# Altium PCB C210.PcbDoc (part 4 of 8) (continued)
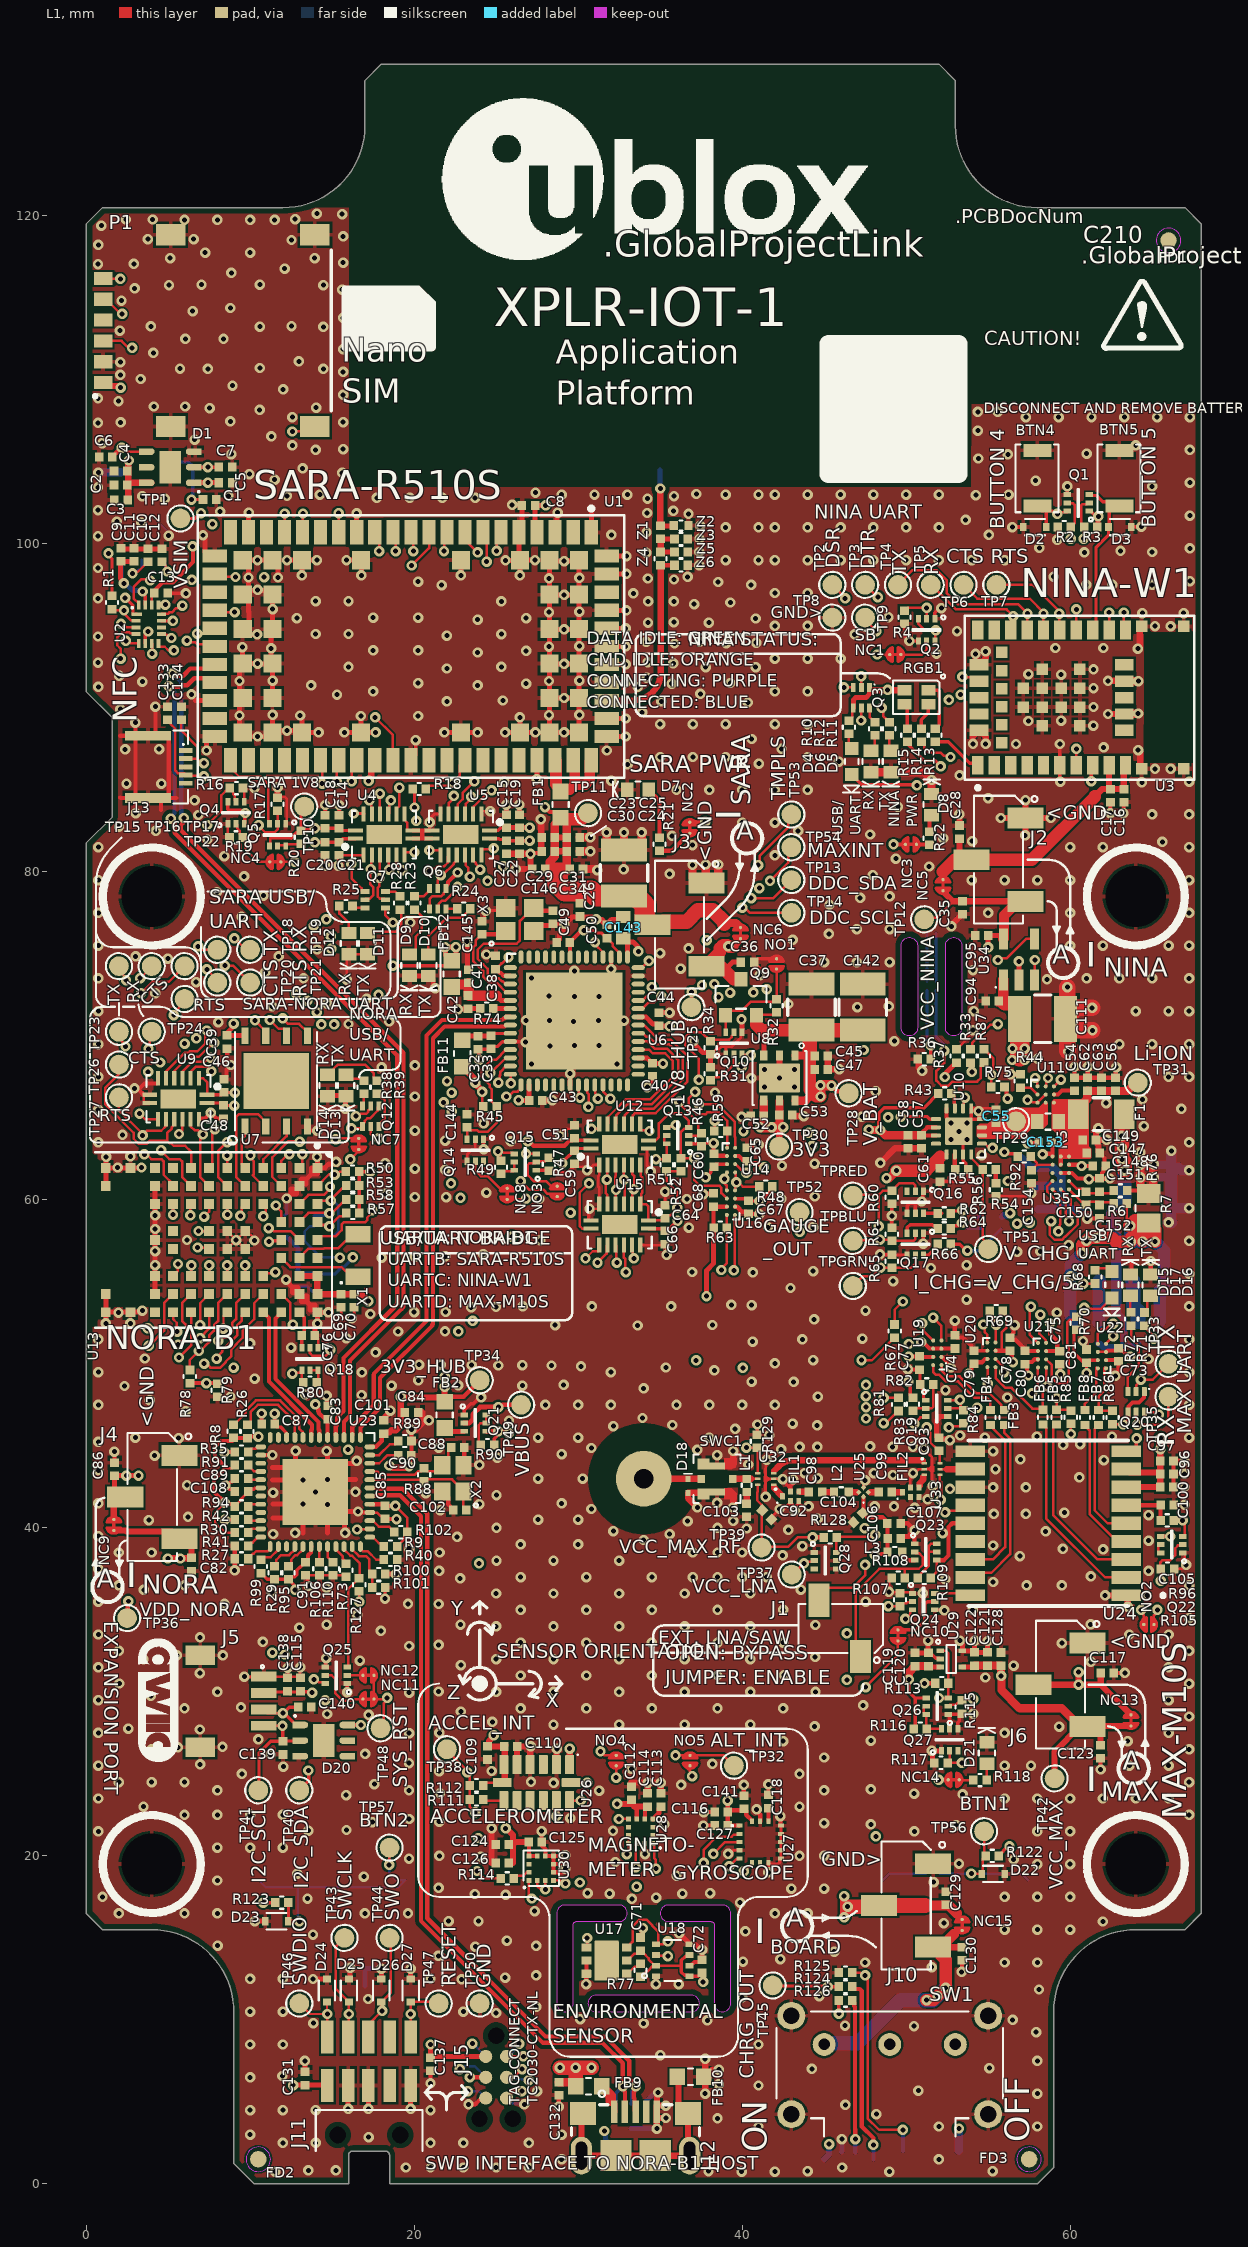
[diagram p0: L1 view]
## Nets (pads, with @x,y where several pads share a name; then routed paths per layer and width w, separated by ;. In a path a pad name is that pad's centre, name@x,y a point inside that pad or via, vN(x,y) a via of type N, cw(c..) or ccw(c..) an arc to the next point about the centre after c; other vN are vias at no path point) (continued)
  L1 w0.381: R17.1@11.672,84.525 v1(11.672,85.154) ; C101.2@18.239,46.548 18.239,46.766 18.554,47.081 v1(18.554,47.15) ; v1(18.475,43.8) 18.544,43.8 18.683,43.661 19.518,43.661 19.619,43.762 v1(19.687,43.762) ; v1(19.836,45.982) 20.082,45.982 20.489,46.389 C84.2@20.489,47.047 ; C126.2@24.721,19.575 v1(24.721,21.675) ; C27.2@25.622,81.1 C22.1@26.422,81.1 v1(27.097,81.1) C29.2@27.097,80.397 ; v1(26.197,80.175) 26.875,80.175 ; U26.5@26.275,25.565 26.275,26.642 26.304,26.671 27.096,26.671 v1(27.1,26.675) ; U26.4@27.075,25.565 27.087,25.577 27.087,26.663 v1@27.092,26.667 ; C30.2@27.75,81.25 v1@27.75,83.172 ; C43.1@27.825,66.05 27.839,66.064 28.419,66.064 v1(28.433,66.078) ; U26.2@28.675,25.565 28.675,26.508 v1(28.696,26.529) ; v1(31.102,77.105) 31.151,77.057 31.442,77.057 31.665,76.833 31.681,76.833 C50.1@31.75,76.764 31.765,76.764 32.066,77.065 32.569,77.065 C143.2@32.754,77.25 ; C112.1@33.244,24.467 v1(34.25,24.467) ; v1(34.222,66.875) 34.222,66.944 34.441,67.163 34.441,67.454 34.51,67.524 C40.1@34.525,67.524 ; C114.1@34.24,23.809 34.25,23.819 v1(34.25,24.467) ; v1@34.8,3.372 J12.5@34.8,4.395 J12.5@34.8,4.775 ; J12.5@34.825,4 34.841,4.016 v1(35.35,4.016) ; v1(34.875,5.571) 34.875,5.502 34.81,5.437 34.81,4.784 J12.5@34.8,4.775 ; C113.1@35.044,23.809 v1(35.044,24.467) v1(34.25,24.467) ; v1(35.35,4.775) J12.5@34.8,4.775 ; v1(37.275,41.242) 36.7,41.817 D18.2@36.7,42.134 37.583,42.134 SWC1.G@37.645,42.072 ; v1(37.75,5.495) FB10.1@37.75,6.525 ; v1(37.75,7.625) FB10.1@37.75,6.525 ; v1(38.58,6.96) 38.185,6.96 FB10.1@37.75,6.525 ; v1(39.967,65.064) 39.997,65.094 40.494,65.094 C52.2@40.525,65.125 ; v1(42.275,67.425) U8.2@42.275,68.8 ; C53.1@43.057,65.173 43.131,65.099 v1(43.757,65.099) ; C47.2@45.225,67.961 C47.2@45.235,67.971 ; C45.1@45.225,68.764 45.225,67.981 C47.2@45.235,67.971 ; v1(45.911,67.971) C47.2@45.235,67.971 ; v1(48.432,62.25) 48.45,62.25 48.45,62.268 49.322,63.14 C57.2@50.94,63.14 ; R36.1@50.7,68.575 50.772,68.503 50.772,68.072 v1(50.972,67.871) ; v1(52.75,76.68) 52.799,76.728 52.799,76.799 53.421,77.421 C35.2@53.436,77.421 ; C28.2@53.25,82.825 v1(53.25,83.5) ; v1(54.075,87.8) 54.05,87.825 54.05,88.225 U3.30@54.45,88.625 54.847,88.228 v1(54.847,87.8) ; v1(54.228,93.297) 54.228,92.785 54.388,92.625 U3.26@54.45,92.625 54.847,93.022 v1(54.847,93.45) ; v1(55.775,83.281) J2.1@57.275,83.281 ; v1(57.25,82.225) 57.275,82.25 J2.1@57.275,83.281 ; v1(57.275,84.375) J2.1@57.275,83.281 ; v1(58.825,83.281) J2.1@57.275,83.281 ; v1(61.717,64.356) 61.717,64.287 61.569,64.14 61.569,63.662 C149.1@61.576,63.655 ; C147.2@61.8,62.854 61.731,62.924 61.731,63.348 61.645,63.433 61.645,63.586 C149.1@61.576,63.655 ; v1(62.138,35.879) v1(64.688,35.879) ; v1(62.224,63.655) C149.1@61.576,63.655 ; v1(62.309,89.625) U3.12@63.3,89.625 ; v1(62.309,91.652) 63.273,91.652 U3.14@63.3,91.625 ; U24.1@63.413,35.879 63.513,35.779 v1(63.513,35.179) ; v1(64.127,93.614) 64.127,93.682 64.242,93.798 64.242,94.842 U3.EG@64.375,94.975 ; v1(64.15,87.425) 64.275,87.3 64.275,86.375 U3.EG@64.375,86.275
  L1 w0.391: v1@39.45,41.145 39.45,42.031 ; 39.45,43.802 39.45,44.685 v1(39.452,44.687)
  L1 w0.508: C24.2@30.1,81.25 v1(30.75,81.25) ; C25.1@30.1,82.1 v1(30.75,82.1) ; C31.2@30.297,80.175 31.1,80.175 v1(31.175,80.1) ; v1(31.738,82.404) 31.738,81.716 32.124,81.33 C26.1@32.797,81.33 ; v1(32.797,82.404) C26.1@32.797,81.33 ; v1(33.875,82.404) 33.875,81.848 33.357,81.33 C26.1@32.797,81.33 ; v1(36.975,80.425) 36.975,79.648 37.308,79.315 J3.1@37.775,79.315 ; v1(37.775,80.45) J3.1@37.775,79.315 ; v1(38.55,80.45) 38.55,79.508 38.575,79.483 38.407,79.315 J3.1@37.775,79.315 ; D6.C@47.825,86.075 48.95,86.075 D5.C@48.975,86.1 ; D5.C@48.975,86.075 51.075,86.075 v1(51.55,85.6) D8.C@51.55,84.75 ; v1(56.476,101.012) v1@56.488,101.025 ; U3.12@63.3,89.625 63.315,89.64 64.13,89.64 v1(64.145,89.655) ; v1(64.16,91.627) 64.159,91.626 U3.14@63.301,91.626 ; v1(64.275,62.9) 64.275,60.906 64.32,60.86 64.32,60.71 64.454,60.577 64.641,60.389 R7.1@64.791,60.389 ; v1(64.291,61.377) 64.293,61.379 v1@65.075,61.379 ; v1(64.291,62.142) 64.305,62.156 v1@65.085,62.156 ; R7.1@64.791,60.5 64.864,60.5 65.075,60.71 v1@65.075,61.379 ; v1(65.099,61.381) 65.097,61.379 v1@65.075,61.379 ; v1(65.099,62.17) v1@65.085,62.156 ; U3.14@63.3,91.625 U3.14@63.301,91.626 ; v1@65.075,61.379 65.075,62.146 v1@65.085,62.156
  L1 w1: v1(59.825,72.965) C111.2@59.825,71.143 ; v1(59.871,69.047) 59.825,69.093 C111.2@59.825,70.933 ; v1(61.338,71.702) 60.384,71.702 C111.2@59.825,71.143 ; v1(61.364,70.337) 60.421,70.337 C111.2@59.825,70.933 ; C111.2@59.825,70.933 C111.2@59.825,71.143 ; C111.2@59.825,70.933 C111.2@59.72,71.038 C111.2@59.825,71.143
  L2 w0.15: v1(30.125,10.05) 30.137,10.062 30.137,11.353 30.415,11.631 30.415,12.099 v1(30.489,12.173) ; v1(36.125,12.173) 37.041,12.173 37.284,11.931 37.285,11.931 37.869,11.347 37.869,9.981 v1(37.875,9.975)
  L6 w0.15: ESIM.EPAD@4.025,101.7 5.035,100.69 v1(5.035,100.505)
  L6 w0.203: U31.3@12.1,59.05 12.231,59.181 v1(12.231,60.081) ; v1(12.185,55.132) 12.185,55.11 12.57,54.725 C136.2@12.95,54.725 13.475,54.725 C135.2@14.025,54.175 ; D29.2@46.05,1.95 D29.2@46.1,1.9 ; RT1.2@51.268,73.325 51.268,76.259 ; RT2.2@51.818,73.325 51.818,76.259
  L6 w0.254: J17.5@25.63,5.25 25.684,5.25 26.009,4.925 26.65,4.925 v1(26.725,4.85)
  L6 w0.305: v1(16.096,13.175) 16.915,13.175 17,13.09 17,13.05 ; 17,12.05 17,13.05 ; v1(18,13.125) 17.075,13.125 17,13.05 ; D28.EPAD@33.225,3.375 33.234,3.366 v1(34.794,3.366) ; D28.3@34.175,4.525 D28.3@34.175,4.9 34.175,5.075 34.608,5.508 34.812,5.508 v1(34.875,5.571) ; D29.2@46.05,1.95 46.084,1.984 v1(46.084,2.725)
  L6 w0.508: v1(0.75,104.35) 0.763,104.362 2.116,104.362 2.12,104.366 ESIM.1@2.12,104.375 ; 57.029,62.541 57.605,61.965 58.954,61.965 59.45,61.469 J14.MH1@59.45,60.85 ; v1(57.625,60.4) 58.075,60.85 J14.MH1@59.45,60.85 ; 58.05,59.425 58.954,59.425 J14.MH1@59.45,59.921 ; v1@61.049,58.957 61.014,58.957 60.568,59.404 59.946,59.404 59.45,59.9 J14.MH1@59.45,59.921 ; v1(65.099,61.381) 66.031,61.381 66.15,61.5 66.166,61.5 J14.MH1@66.631,61.965 ; v1@65.099,62.142 J14.MH1@66.031,62.142 ; J14.MH1@59.45,59.921 J14.MH1@59.45,60.85
  L6 w0.635: v1@66.166,58.63 J14.MH1@66.166,59.5 ; J14.MH1@66.166,59.752 J14.MH1@66.166,59.5 ; J14.MH1@66.166,61.5 v1(66.166,62.981) ; J14.MH1@66.631,61.965 66.796,61.8 v1(67.25,61.8) ; v1(67.25,59.5) J14.MH1@66.166,59.5
  L6 w0.762: v1(66.002,58.63) v1@66.166,58.63 ; J14.MH1@66.166,59.5 J14.MH1@66.166,61.5
  other v1: 11.525,0.75 39.975,0.75 42,0.75 48.975,0.75 37.95,0.775 44,0.775 55.275,0.775 13.55,0.825 15.225,0.825 19.5,1 21,1 23,1 25,1 27,1 46.1,1 29,1.5 52,1.5 12,2.5 14,2.5 21,2.5 23,2.5 27,2.5 17.225,2.85 10,3 29,3 41,3.5 52,3.5 58,3.5 38.5,4 48.183,4.252 10,4.5 12,4.5 14,4.5 21,4.5 46.291,4.82 58,5.5 27.503,5.655 50.75,5.689 41,6 38.58,6.075 10,6.5 11.961,6.578 44.25,7.009 55.075,7.062 58,7.5 35.017,7.844 10,8.5 12,8.5 41,8.5 57.928,9.25 50.48,9.623 46.269,9.65 34,9.785 13.85,9.8 56.5,10 24.996,10.418 10,10.5 12,10.5 23,10.5 27.444,10.807 17.2,11.275 40,11.375 44.713,11.446 58.1,11.85 22.896,12.475 10,12.5 12,12.5 21,12.5 25.55,12.575 27.444,12.715 51.556,13.216 47.5,13.5 56,13.5 58,13.5 40.05,13.55 42.325,13.7 21.475,13.9 45.616,14.159 23.73,14.465 27.444,14.516 8.025,14.525 25.65,14.825 13.831,15.2 40.2,15.4 56,15.5 58,15.5 60,15.5 52.3,15.9 62,16 22.1,16.025 23.925,16.025 2,16.5 6,16.5 8,16.5 17,16.5 19.625,16.5 42,16.5 44,16.5 27.35,16.625 39.875,17.15 33.276,17.383 13.5,17.394 34.753,17.447 1,17.5 56,17.5 58,17.5 60,17.5 25.575,17.625 23.7,17.675 31.925,17.7 36.35,17.7 30.575,17.725 38.05,17.725 43,18 45,18 21.5,18.056 51.675,18.4 8,18.5 16.933,18.733 36,18.8 12.875,18.916 58,19.5 60,19.5 53.225,19.525 32.275,19.625 56.55,19.779 19.687,19.827 24.05,19.95 21.533,20.002 43.5,20 45,20 8,20.5 10,20.5 12,20.5 0.75,21.5 50.5,21.5 58,21.5 60,21.5 32.125,21.525 13.552,21.54 15.875,21.575 47.85,21.925 35.253,21.934 45,22 17.45,22.05 21.524,22.09 19.694,22.248 29.525,22.3 6,22.5 8,22.5 10,22.5 12,22.5 67.25,22.5 3.5,23 43.5,23 0.75,23.5 56,23.5 58,23.5 60,23.5 62,23.5 64,23.5 66,23.5 15.85,23.7 53.45,23.75 50.485,23.8 21.575,23.82 19.687,23.989 31.275,23.975 8,24 45,24 47.85,24.05 36.275,24.325 17.575,24.375 28.511,24.453 2,24.5 4,24.5 6,24.5 27.125,24.509 67.25,24.5 9.5,25 43.5,25 21.524,25.17 24.724,25.174 33.25,25.3 12.025,25.44 0.75,25.5 56,25.5 57.611,25.5 63.611,25.5 66,25.5 6.947,25.577 38.18,25.604 19.687,25.65 45,26 11.252,26.181 17.015,26.22 4,26.5 67.25,26.5 5.601,26.62 8.317,26.642 42.5,27 63.511,27 47.85,27.025 10.5,27.103 19.694,27.486 0.75,27.5 21.533,27.5 56,27.5 66,27.5 6.934,27.706 2.573,27.756 59.325,27.875 44.425,27.9 28.5,28 32.5,28 36.5,28 40.5,28 24.775,28.175 67.25,28.5 17.225,28.6 14.698,28.651 22.85,28.8 6,29 26.5,29 30.5,29 34.5,29 38.5,29 42.5,29 9.444,29.058 47.375,29.175 0.75,29.5 66,29.5 3.949,29.75 19.693,29.946 8,30 25,30 28.5,30 32.5,30 36.5,30 40.5,30 44.475,30 21.5,30.021 2.024,30.509 67.25,30.5 54.825,30.875 26.5,31 30.5,31 34.5,31 38.5,31 42.552,31.019 6.934,31.142 0.75,31.5 66,31.5 56.55,31.6 22.85,31.625 61.265,31.825 16.696,31.908 3.5,32 25,32 28.5,32 32.5,32 36.5,32 40.5,32 44.45,32.125 5.527,32.231 8.333,32.231 2,32.5 67.25,32.5 19.693,32.798 21.5,32.869 59.498,32.966 26.5,33 30.5,33 34.5,33 38.5,33 42.5,33 10.772,33.05 6.944,33.325 0.75,33.5 63.611,33.5 66,33.5 17.975,33.725 13.006,33.918 25,34 28.5,34 32.5,34 36.5,34 40.5,34 44.464,34.075 14.667,34.1 22.825,34.1 61.251,34.119 67.25,34.5 16.529,34.7 26.5,35 30.5,35 34.5,35 38.5,35 42.5,35 54.05,35 8.438,35.361 19.623,35.361 21.5,35.357 0.75,35.5 47.526,35.5 25,36 28.5,36 32.5,36 36.5,36 40.5,36 51.025,36.025 11.325,36.075 3.525,36.225 43.577,36.228 14.667,36.333 2,36.5 6,36.5 57.35,36.5 59.498,36.5 67.25,36.5 55.3,36.7 52.395,36.868 22.8,36.925 26.5,37 30.5,37 34.5,37 37,37 38.5,37 40,37 41.5,37 61.265,37.041 21.525,37.375 64.791,37.381 0.75,37.5 25.021,38 28.5,38 32.5,38 56.929,38.275 42.467,38.322 2,38.5 4,38.5 21.55,38.5 37,38.5 38.5,38.5 40,38.5 62.017,38.689 19.694,38.728 59.555,38.725 43.676,38.879 55.3,38.925 26.5,39 30,39 64.791,39.221 34,39.261 22.625,39.45 0.75,39.5 11.408,39.626 35.575,39.619 12.747,39.697 32.148,39.802 58.501,39.791 42.813,39.876 40.275,39.961 47.464,39.976 25.021,40 38.5,40 36.682,40.41 39.456,40.426 3.825,40.469 27.558,40.5 30,40.5 44.6,40.552 6.214,40.673 64.791,40.775 55.354,40.854 57.296,40.854 59.646,40.925 21.604,41.083 30.802,41.148 50.513,41.214 39.419,41.242 48.086,41.309 49.262,41.309 23.983,41.44 0.75,41.5 29,41.5 38.475,41.525 51.305,41.737 25.021,42 20.71,42.115 11.402,42.15 13.975,42.2 16.425,42.2 52.675,42.375 55.3,42.475 57.296,42.475 6.15,42.608 27.558,43 30.275,43 44.6,43.025 60.559,43.075 49.187,43.222 43.8,43.333 48.027,43.333 0.75,43.5 55.45,43.575 23.974,43.837 40.379,43.862 62.05,44.125 41.492,44.148 56.968,44.179 25.075,44.275 4.182,44.401 38.47,44.431 29,44.5 55.3,44.675 37.275,44.75 42.378,44.79 21.5,44.887 30.802,44.869 43.505,44.933 44.59,44.943 49.178,44.933 50.42,44.943 47.8,44.975 59.575,45.058 60.607,45.1 0.75,45.25 5.641,45.474 3,45.5 27.558,45.5 30,45.5 38,45.5 54.8,45.5 67.25,45.5 57.968,45.568 62.55,45.568 53.298,45.631 41.645,45.648 39.579,46.041 32.148,46.198 44.575,46.25 35.75,46.272 43.077,46.35 25.784,46.541 20.9,46.55 33.925,46.698 6.067,47.116 0.75,47.5 28,47.5 30,47.5 32,47.5 36,47.5 38,47.5 40,47.5 42,47.5 67.25,47.5 3.875,47.788 56.176,47.95 44.619,48 16.8,48.1 13.37,48.131 52.4,48.4 34,48.5 2.341,48.648 18.625,48.675 26.6,48.675 22.686,48.686 29.112,48.722 43.141,48.901 40.576,48.917 20.262,48.991 10.281,49.097 16.815,49.488 0.75,49.5 32,49.5 67.25,49.5 38.3,49.608 14.961,49.776 35.346,49.778 30.175,49.85 25.132,49.9 28.375,49.9 21.621,49.946 23.502,49.925 26.6,49.925 20.3,49.957 42,50.033 44.335,50.221 64.78,50.298 3.575,50.325 17.654,50.703 12.5,50.992 10,51.245 40.645,51.354 0.75,51.5 43.672,51.5 67.25,51.5 47.336,51.542 15.855,51.57 19.025,51.975 21.883,51.987 33.623,52.341 28.6,52.365 38.179,52.368 2.7,52.475 44.389,52.711 17.331,53.038 59.193,53.119 1.975,53.125 20,53.15 21.921,53.162 47.52,53.25 23.479,53.447 24.99,53.475 67.25,53.5 26.612,53.511 30.841,53.511 35.67,53.511 39.347,53.602 40.576,53.583 53.688,53.909 42.95,54.625 55.267,54.792 49.211,55.047 67.25,55.5 40.65,55.575 36.95,55.6 44.325,55.65 51.504,55.846 4.204,56.025 53.692,56.021 18.025,56.475 20.05,56.525 21.903,56.556 24.204,56.69 56.772,56.824 58.188,56.85 4.204,56.875 59.905,57.233 67.25,57.5 27.702,57.529 6.15,57.55 4.204,58.225 36.75,58.31 41.575,58.325 44.333,58.321 49.125,59.029 4.204,59.05 27.627,60.052 36.625,60.05 42.378,60.079 20.05,60.175 21.95,60.169 44.438,60.205 18.24,60.363 24.403,60.437 21.891,61.831 20.05,61.9 1.925,61.975 42.43,62.092 44.426,62.204 18.239,62.242 2.7,62.65 54.622,62.727 0.75,63.5 67.25,63.5 25.88,63.563 21.891,63.604 52.725,63.675 53.725,63.675 2.215,63.96 20.05,64.225 64.5,64.5 24.242,64.669 47.304,65.074 0.734,65.488 66.775,65.55 62.198,65.899 64.4,66.118 20.05,66.3 38.343,66.536 48.142,66.621 41.35,66.875 43.2,66.875 40.562,67.421 0.75,67.5 66,67.5 67.25,67.5 41.35,67.961 43.2,67.961 18.022,68.075 20.05,68.2 27.156,68.297 32.377,68.297 58.032,68.591 28.275,69.375 29.765,69.425 31.275,69.425 0.75,69.5 63,69.5 65,69.5 67.25,69.5 49.275,69.675 15.999,70.721 8.06,70.84 18.48,70.878 29.725,70.878 31.25,70.921 32.797,70.921 26.822,70.947 28.25,70.947 0.75,71.5 54.125,71.5 64,71.5 66,71.5 67.25,71.5 47.029,71.748 11.337,71.79 48.95,71.8 42.828,71.94 14.699,71.967 17.107,72.25 29.765,72.4 31.275,72.4 28.225,72.42 4.206,72.596 6.706,73.271 58.588,73.45 0.75,73.5 13.257,73.501 61,73.5 63,73.5 65,73.5 67.25,73.5 27.156,73.523 41.068,73.7 10.924,73.87 29.765,73.962 54.075,74 32.014,74.075 36.253,74.1 45,74.5 47,74.5 49,74.5 4.984,74.708 3.015,74.849 11.735,74.85 35,75.047 14.091,75.266 36.743,75.334 0.75,75.5 60,75.5 62,75.5 66,75.5 67.25,75.5 43.078,75.853 45.281,76.219 47,76.5 49,76.5 19.775,76.91 9.475,77.25 0.75,77.5 55,77.5 60,77.5 67.25,77.5 24.37,77.627 45.325,78.004 47.195,78.413 49,78.5 10.804,78.554 7.979,78.76 0.75,79.5 54,79.5 56,79.5 58,79.5 60,79.5 67.25,79.5 9.636,79.722 47.975,79.8 35.576,79.881 32.775,80.15 51.4,80.325 49.375,80.8 8.425,80.952 42,81 0.75,81.5 60,81.5 62,81.5 67.25,81.5 36.975,81.625 65.619,81.827 54.025,81.875 7.402,81.971 52.275,82.05 35.725,82.2 47.799,82.279 4.248,82.5 43.412,82.502 2.004,82.759 40,83 42,83 6.848,83.467 65,83.5 67.25,83.5 49.495,83.977 6.622,84.362 55,84.5 36,85 38,85 40,85 42,85 44,85 10.265,85.106 2.463,85.377 4.59,85.377 64.375,85.462 25.5,85.5 67.25,85.5 32.022,85.55 53.259,85.883 65.175,86.275 66.122,86.275 33.022,86.55 41.025,86.6 45.9,86.725 35,87 37,87 39,87 44,87 31.75,87.4 2.379,87.475 4.451,87.477 42.4,87.5 62.047,87.588 56.7,87.796 40.575,88.1 10.454,88.25 61.416,88.913 35,89 37,89 39,89 42,89 44,89 57.45,89.2 59.45,89.225 20.25,89.5 28.222,89.55 30.075,89.575 33.905,89.725 2.085,89.926 61.425,90.05 40.35,90.325 35.078,90.385 21.997,90.397 25.408,90.447 15.296,90.8 6.426,90.825 37.456,90.854 17.5,91 42,91 44,91 61.425,91.2 33.638,91.273 0.75,91.275 13.722,91.375 23.872,91.372 26.832,91.472 20.25,91.5 35.708,91.481 39.275,91.515 3.425,91.6 28.222,91.636 11.375,91.661 30.075,91.661 34.187,91.84 2.019,91.95 59.45,92.025 57.45,92.05 61.425,92.35 21.997,92.397 37.775,92.475 40.82,92.477 16,92.5 25.315,92.497 35.803,92.711 0.725,92.75 34.235,92.791 42,93 44,93 46,93 51.85,93.307 23.872,93.372 26.832,93.472 17.5,93.5 20.25,93.5 59.1,93.65 62.025,93.65 9.522,93.7 28.222,93.736 30.075,93.761 35.875,93.925 39.025,93.95 40.85,93.975 34.157,94.027 37.4,94.025 0.725,94.35 21.997,94.397 46.85,94.475 14,94.5 16,94.5 25.315,94.497 53.1,94.675 66.122,94.975 42,95 44,95 65.175,94.986 34.262,95.199 37.975,95.2 35.842,95.231 23.872,95.372 40.82,95.45 12.844,95.472 26.832,95.472 17.5,95.5 20.25,95.5 48.925,95.525 64.404,95.778 66.925,95.778 28.222,95.836 30.075,95.861 37.075,96.325 39.275,96.425 14,96.5 16,96.5 25.315,96.497 34.269,96.498 35.842,96.498 0.725,96.675 33.373,96.982 42,97 44,97 21.675,97.475 40.546,97.5 60.975,97.5 62.575,97.5 65,97.5 38.532,97.675 20.25,97.7 67.3,97.725 35.846,97.823 28.222,97.9 34.252,97.887 30.075,97.925 9.9,97.95 36.672,97.982 59,98 0.725,98.525 37.388,98.695 39,99 41,99 42,99 44,99 46,99 48,99 50,99 52,99 54,99 56,99 34.157,99.457 60.866,99.475 37.388,99.503 65,99.5 63.068,99.568 67.3,99.725 58.125,99.75 37.398,100.3 0.725,100.475 32.022,100.55 55.047,100.55 34.166,100.697 39,101 41,101 42,101 44,101 46,101 48,101 50,101 52,101 37.443,101.097 3.372,101.303 1.869,101.35 53.625,101.46 67.3,101.725 36.727,101.833 16.5,101.853 34.204,101.879 8.17,101.973 35.803,102.006 0.725,102.05 34.231,102.75 4.805,102.757 17.726,102.804 19.722,102.8 21.722,102.8 23.722,102.8 3.425,102.9 8.679,102.92 12.247,102.92 35.846,102.912 54.252,102.975 14.25,103 29,103 31,103 33,103 39,103 41,103 42,103 44,103 46,103 48,103 50,103 52,103 56.25,103 37.209,103.037 27.4,103.125 0.725,103.45 65,103.5 67.3,103.725 57.9,103.85 11.489,103.909 9.956,104.25 15.613,104.325 13.2,104.6 54.402,105.203 8.854,105.473 56.2,105.45 61,105.5 14,105.725 67.3,105.725 15.672,105.774 12.575,106 64,106 0.975,106.143 6.622,106.35 11.3,106.555 54.378,106.9 0.725,107.375 2.103,107.413 15.675,107.425 8.8,107.471 12.575,107.725 57.3,107.725 59.3,107.725 61.3,107.725 63.3,107.725 65.3,107.725 67.3,107.725 54.378,108.05 55.575,108.05 10.575,108.163 7.527,108.27 14.02,108.3 4.125,108.375 6.035,108.375 1.975,108.7 0.725,108.875 15.675,109.081 12.012,109.425 8.925,109.65 3.325,110.05 2.082,110.3 15.675,110.49 7.417,110.675 14.465,110.675 5.723,110.687 10.598,110.723 2.082,111.075 12.969,111.125 4.1,111.65 15.675,111.871 6.049,112.5 8.375,112.5 2.059,113 10.598,113.244 14.465,113.225 3.949,113.255 12.52,113.28 15.672,113.78 6.496,114.194 8.8,114.382 2.155,114.827 15.613,115.5 2.952,115.58 5.052,115.775 14.465,115.775 7.036,115.798 10.598,115.798 8.854,116.525 12.1,116.775 0.725,117.05 2.915,117.075 15.672,117.14 5.125,117.425 13.932,117.425 7.262,117.75 10,117.75 0.75,118.225 12.52,118.525 3.767,118.575 6.56,118.575 15.675,118.75 0.925,119.4 6,119.75 8,119.75 10,119.75 11.5,119.75 2.422,119.775 4.05,119.775 12.75,119.8 15.613,120.1 14.072,120.137
LED_BLUE: Q17.2 R61.2 TPBLU.1 U13.E7 | length 46.4
  L1 w0.152: U13.E7@9.7,55.35 v1(9.7,56) ; TPBLU.1@46.75,57.5 46.788,57.537 48.366,57.537 v1(48.404,57.575) 49.05,57.575 R61.2@49.125,57.5 ; R61.2@49.2,57.5 50.438,57.5 50.563,57.625 Q17.2@50.563,57.97
  L4 w0.152: v1(9.7,56) 9.945,56.245 11.62,56.245 12.72,57.345 17.151,57.345 17.491,57.685 24.793,57.685 25.833,56.645 29.25,56.645 29.94,57.336 33.668,57.336 34.537,56.466 34.537,56.304 35.05,55.791 35.835,55.791 36.58,56.536 47.365,56.536 v1(48.404,57.575)
LED_GREEN: Q17.5 R65.2 TPGRN.1 U13.D7 | length 45.4
  L1 w0.152: U13.D7@10.8,55.35 10.976,55.526 11.481,55.526 v1(11.541,55.586) ; TPGRN.1@46.75,54.75 46.761,54.75 47.342,55.33 47.901,55.33 v1(48.439,55.868) 49.107,55.868 R65.2@49.125,55.85 50.288,55.85 50.563,56.125 Q17.5@50.563,56.62
  L4 w0.152: v1(11.541,55.586) 11.541,55.716 12.865,57.04 17.277,57.04 17.617,57.38 24.667,57.38 25.707,56.34 29.376,56.34 30.067,57.031 33.541,57.031 34.233,56.34 34.233,56.177 34.924,55.486 35.961,55.486 36.719,56.244 47.993,56.244 48.369,55.868 v1(48.439,55.868)
LED_RED: Q16.2 R60.2 TPRED.1 U13.F7 | length 50
  L1 w0.152: U13.F7@8.6,55.35 v1(8.6,56) ; TPRED.1@46.75,60.25 46.8,60.3 48.325,60.3 ; v1(48.32,58.389) 48.325,58.394 48.325,60.3 ; Q16.2@50.563,60.525 50.563,60.875 50.44,60.998 49.573,60.998 49.15,60.575 R60.2@49.125,60.55 48.575,60.55 48.325,60.3
  L4 w0.152: v1(8.6,56) 9.17,56.57 11.514,56.57 12.594,57.65 17.025,57.65 17.365,57.99 24.919,57.99 25.959,56.95 29.124,56.95 29.814,57.64 33.794,57.64 34.842,56.592 34.842,56.43 35.176,56.096 35.708,56.096 36.458,56.845 46.777,56.845 v1(48.32,58.389)